# Altium PCB SEEED ORDER ALARM INTERFACE 100mm x 150mm.PcbDoc (part 1 of 2)
Units mil, origin at the board's own origin, x right, y up, seen from the top; angles counter-clockwise.
Board outline 5905.51 x 3937.01 mil, 2 copper layers (Top Layer, Bottom Layer); 128 components, 122 nets, 586 pads, 128 vias.
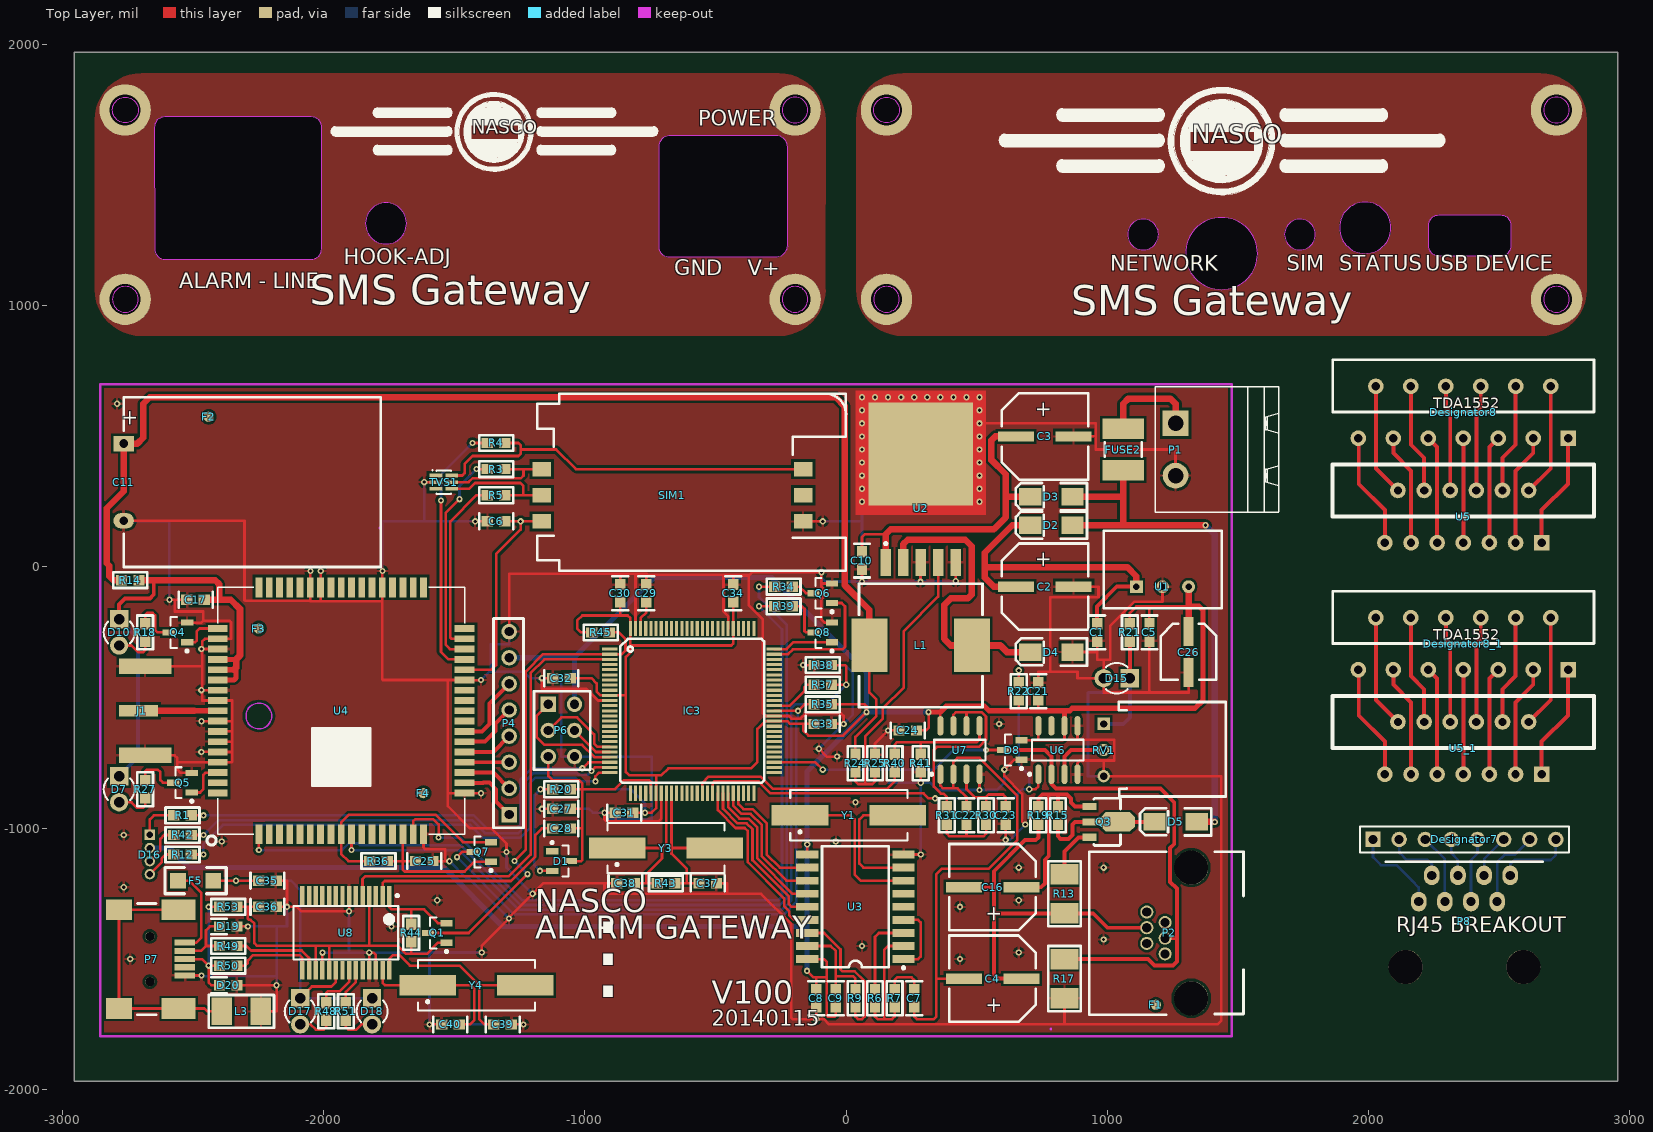
[diagram p0: Top Layer view]
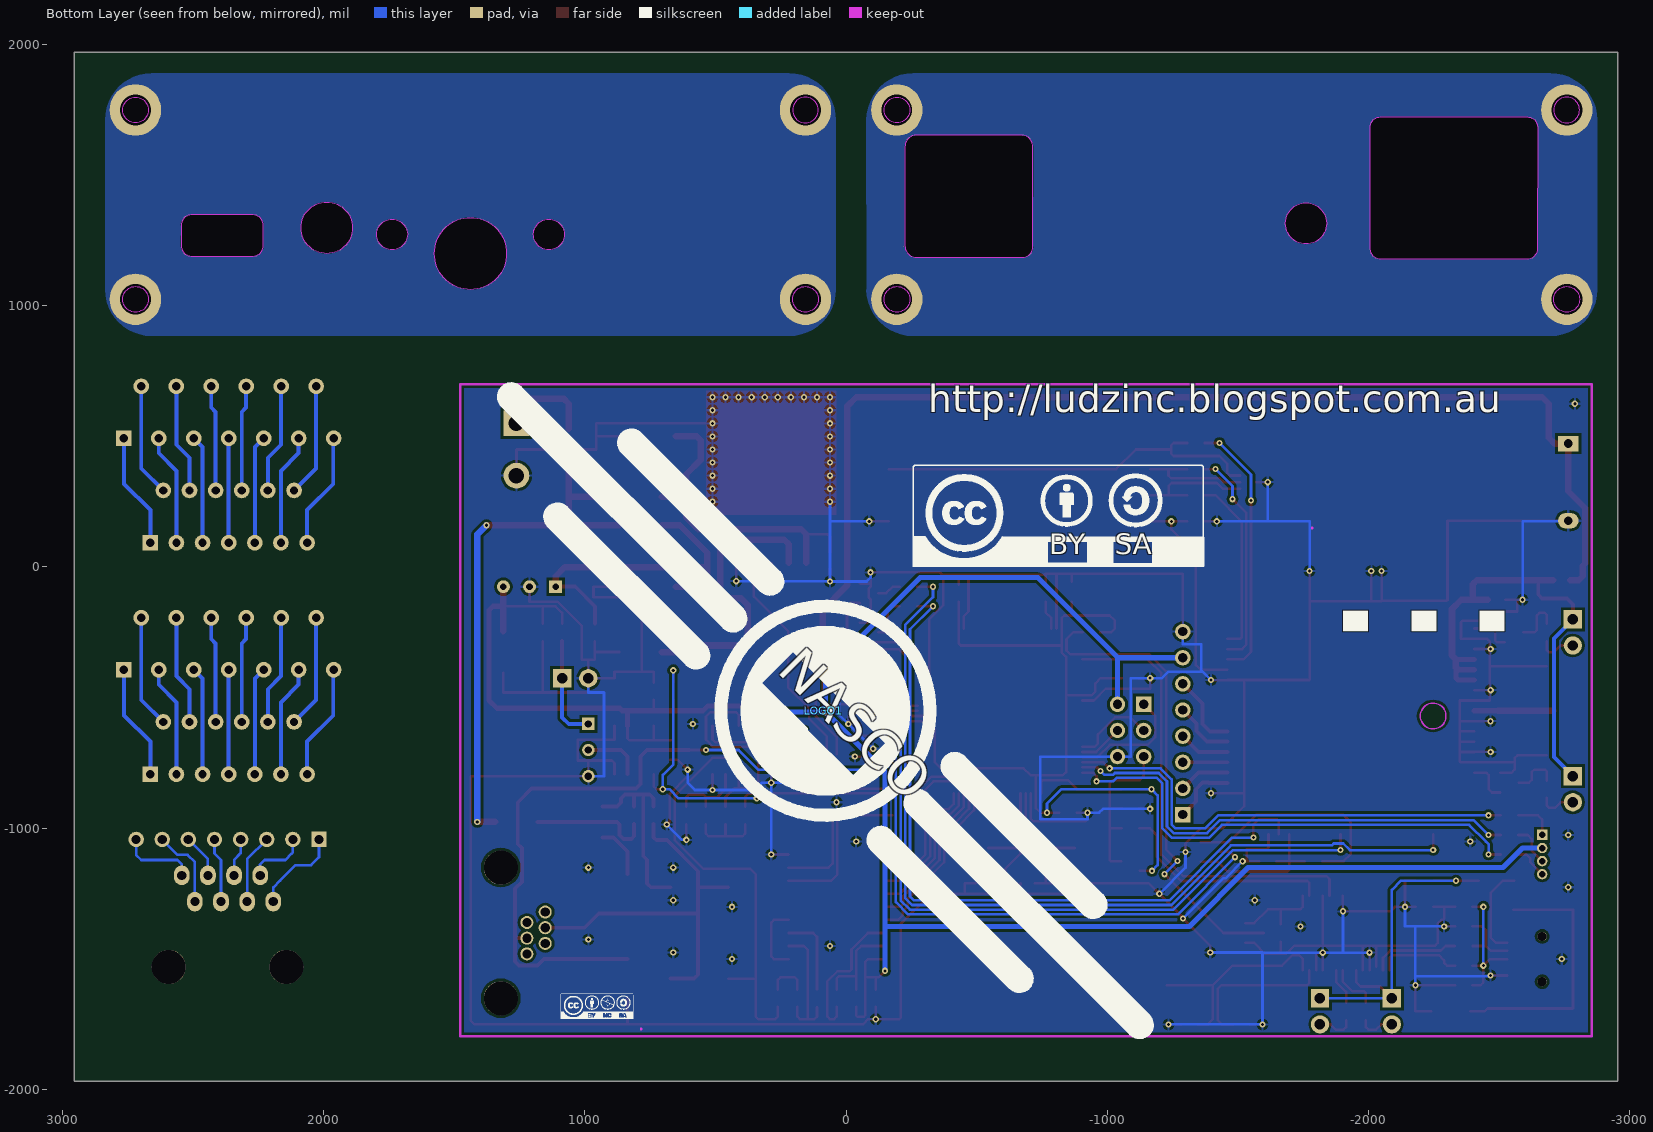
[diagram p1: Bottom Layer view, seen from below]

## Layer stack, top to bottom
Top Layer: signal copper 1.4
Dielectric: dielectric 12.6, FR-4, Dk 4.8
Bottom Layer: signal copper 1.4

## Board outline
-2952.76,-1968.5 -2952.76,1968.5 2952.76,1968.5 2952.76,-1968.5
cut-out: 155.51,1698.82 cw(c155.51,1748.03) 106.3,1748.03 cw(c155.51,1748.03) 155.51,1797.24 cw(c155.51,1748.03) 204.72,1748.03 cw(c155.51,1748.03)
cut-out: 2669.29,1748.03 ccw(c2718.5,1748.03) 2718.5,1698.82 ccw(c2718.5,1748.03) 2767.72,1748.03 ccw(c2718.5,1748.03) 2718.5,1797.24 ccw(c2718.5,1748.03)
cut-out: 2669.29,1023.62 ccw(c2718.5,1023.62) 2718.5,974.41 ccw(c2718.5,1023.62) 2767.72,1023.62 ccw(c2718.5,1023.62) 2718.5,1072.83 ccw(c2718.5,1023.62)
cut-out: 106.3,1023.62 ccw(c155.51,1023.62) 155.51,974.41 ccw(c155.51,1023.62) 204.72,1023.62 ccw(c155.51,1023.62) 155.51,1072.83 ccw(c155.51,1023.62)
cut-out: 2229.53,1228.35 2229.53,1307.09 cw(c2268.9,1307.09) 2268.9,1346.46 2505.12,1346.46 cw(c2505.12,1307.09) 2544.49,1307.09 2544.49,1228.35 cw(c2505.12,1228.35) 2505.12,1188.98 2268.9,1188.98 cw(c2268.9,1228.35)
cut-out: 1077.95,1271.65 ccw(c1137.01,1271.65) 1137.01,1212.6 ccw(c1137.01,1271.65) 1196.06,1271.65 ccw(c1137.01,1271.65) 1137.01,1330.71 ccw(c1137.01,1271.65)
cut-out: 1677.95,1271.65 ccw(c1737.01,1271.65) 1737.01,1212.6 ccw(c1737.01,1271.65) 1796.06,1271.65 ccw(c1737.01,1271.65) 1737.01,1330.71 ccw(c1737.01,1271.65)
cut-out: 1888.58,1297.24 ccw(c1987.01,1297.24) 1987.01,1198.82 ccw(c1987.01,1297.24) 2085.43,1297.24 ccw(c1987.01,1297.24) 1987.01,1395.67 ccw(c1987.01,1297.24)
cut-out: 1299.21,1198.69 ccw(c1437.01,1198.69) 1437.01,1060.9 ccw(c1437.01,1198.69) 1574.8,1198.69 ccw(c1437.01,1198.69) 1437.01,1336.49 ccw(c1437.01,1198.69)
cut-out: -2645.75,1216.42 ccw(c-2606.38,1216.42) -2606.38,1177.05 -2046.38,1177.05 ccw(c-2046.38,1216.42) -2007.01,1216.42 -2006.38,1216.42 -2006.38,1682.05 ccw(c-2045.75,1682.05) -2045.75,1721.42 -2607.01,1721.42 ccw(c-2607.01,1682.05) -2646.38,1682.05
cut-out: -1838.98,1313.98 ccw(c-1760.24,1313.98) -1760.24,1235.24 ccw(c-1760.24,1313.98) -1681.5,1313.98 ccw(c-1760.24,1313.98) -1760.24,1392.72 ccw(c-1760.24,1313.98)
cut-out: -2807.09,1023.62 ccw(c-2757.87,1023.62) -2757.87,974.41 ccw(c-2757.87,1023.62) -2708.66,1023.62 ccw(c-2757.87,1023.62) -2757.87,1072.83 ccw(c-2757.87,1023.62)
cut-out: -244.09,1023.62 ccw(c-194.88,1023.62) -194.88,974.41 ccw(c-194.88,1023.62) -145.67,1023.62 ccw(c-194.88,1023.62) -194.88,1072.83 ccw(c-194.88,1023.62)
cut-out: -244.09,1748.03 ccw(c-194.88,1748.03) -194.88,1698.82 ccw(c-194.88,1748.03) -145.67,1748.03 ccw(c-194.88,1748.03) -194.88,1797.24 ccw(c-194.88,1748.03)
cut-out: -2757.87,1698.82 cw(c-2757.87,1748.03) -2807.09,1748.03 cw(c-2757.87,1748.03) -2757.87,1797.24 cw(c-2757.87,1748.03) -2708.66,1748.03 cw(c-2757.87,1748.03)
cut-out: -221.01,1227.17
cut-out: -221.01,1227.17
cut-out: -221.01,1227.17
cut-out: -221.01,1227.17
cut-out: -221.01,1227.17
cut-out: -715.39,1224.1 -715.39,1606.1 cw(c-710.38,1606.1) -715.37,1606.6 cw(c-710.38,1607.1) -715.39,1607.1 cw(c-671.01,1607.1) -671.01,1651.49 cw(c-671.01,1646.47) -670.8,1651.48 cw(c-669.94,1646.54) -669.94,1651.56 -268.38,1651.56 cw(c-268.38,1646.54) -267.18,1651.41 cw(c-269.75,1607.1) -225.36,1607.1 cw(c-230.38,1607.1) -225.39,1606.6 cw(c-230.38,1606.1) -225.36,1606.1 -225.36,1229.1 cw(c-270.38,1229.1) -270.38,1184.09 -675.38,1184.09 cw(c-675.38,1224.1)

## Design rules (kind name [scope] priority, off if disabled: settings)
Clearance [All] p1: gap=10
PolygonConnect [All] p1: connectstyle=Relief reliefconductorwidth=10 reliefentries=4 polygonreliefangle="90 Angle" airgapwidth=10
RoutingVias [All] p1: holewidth=28 width=50 viastyle="Through Hole" minholewidth=28 minwidth=50 maxholewidth=28 maxwidth=50
SolderMaskExpansion [All] p1: expansion=4
Width [All] p1: maxlimit=10 minlimit=10 preferedwidth=10
28 further rules are at their usual default settings.

## Components (designator, comment, footprint, x,y, rotation, side; value= is the part's Value field where it differs from the comment)
C1 "100nF" "CAP (3D) - 0603" 961.02,-251.18 r90 top
C2 "100uF" "CAP ELECTRO SIZE-E" 761.02,-76.18 r270 top
C3 "100uF" "CAP ELECTRO SIZE-E" 761.02,498.82 r270 top
C4 "100uF" "CAP ELECTRO SIZE-E" 561.02,-1576.18 r90 top
C5 "100nF" "CAP (3D) - 0603" 1161.02,-251.18 r90 top
C6 "100nF" "CAP (3D) - 0603" -1338.98,173.82 r0 top
C7 "100nF" "CAP (3D) - 0603" 261.02,-1651.18 r90 top
C8 "100nF" "CAP (3D) - 0603" -113.98,-1651.18 r90 top
C9 "100nF" "CAP (3D) - 0603" -38.98,-1651.18 r270 top
C10 "100nF" "CAP (3D) - 0603" 61.02,23.82 r90 top
C11 "2700uF" "CAP D(16) L(20) P(7.5)" -2763.98,323.82 r90 top
C16 "100uF" "CAP ELECTRO SIZE-E" 561.02,-1226.18 r90 top
C17 "100nF" "CAP (3D) - 0603" -2488.98,-126.18 r0 top
C21 "100nF" "CAP (3D) - 0603" 736.02,-476.18 r270 top
C22 "10nF" "CAP (3D) - 0603" 461.02,-951.18 r270 top
C23 "10nF" "CAP (3D) - 0603" 611.02,-951.18 r90 top
C24 "100nF" "CAP (3D) - 0603" 236.02,-626.18 r0 top
C25 "100nF" "CAP (3D) - 0603" -1613.98,-1126.18 r180 top
C26 "10uF" "CAP ELECTRO SIZE-C" 1311.02,-326.18 r180 top
C27 "100nF" "CAP (3D) - 0603" -1088.98,-926.18 r180 top
C28 "100nF" "CAP (3D) - 0603" -1088.98,-1001.18 r180 top
C29 "100nF" "CAP (3D) - 0603" -763.98,-101.18 r270 top
C30 "100nF" "CAP (3D) - 0603" -863.98,-101.18 r270 top
C31 "100nF" "CAP (3D) - 0603" -848.98,-941.18 r0 top
C32 "100nF" "CAP (3D) - 0603" -1088.98,-426.18 r0 top
C33 "100nF" "CAP (3D) - 0603" -88.98,-601.18 r180 top
C34 "100nF" "CAP (3D) - 0603" -431.5,-101.18 r270 top
C35 "100nF" "CAP (3D) - 0603" -2213.98,-1201.18 r180 top
C36 "100nF" "CAP (3D) - 0603" -2213.98,-1301.18 r180 top
C37 "22pF" "CAP (3D) - 0603" -528.98,-1211.18 r180 top
C38 "22pF" "CAP (3D) - 0603" -843.98,-1211.18 r0 top
C39 "22pF" "CAP (3D) - 0603" -1313.98,-1751.18 r180 top
C40 "22pF" "CAP (3D) - 0603" -1513.98,-1751.18 r0 top
D1 "BAV99" SOT23-3L -1088.98,-1126.18 r0 top
D2 "S1M" DO-214AC 786.02,158.82 r180 top
D3 "S1M" DO-214AC 786.02,268.82 r180 top
D4 "CD214A-B340LF" DO-214AC 786.02,-326.18 r180 top
D5 "S1M" DO-214AC 1261.02,-976.18 r180 top
D7 "LED (RED)" "LED(3D) 3MM RIGHT ANGLE RED" -2781.83,-851.18 r90 top
D8 "BAV99" SOT23-3L 636.02,-701.18 r180 top
D10 "LED (GREEN)" "LED(3D) 3MM RIGHT ANGLE GREEN" -2781.83,-251.18 r90 top
D15 "LED (RED)" "LED 3MM" 1036.02,-426.18 r0 top
D16 "RGB 5mm" "LED(3D) 5MM RIGHT ANGLE (RGB) - COMMON ANODE" -2663.98,-1101.18 r90 top
D17 "LED (RED)" "LED(3D) 3MM VERTICAL (RED)" -2088.98,-1701.18 r90 top
D18 "LED (GREEN)" "LED(3D) 3MM VERTICAL (GREEN)" -1813.98,-1701.18 r90 top
D19 "TVS" "TVS (3D) - 0603" -2363.98,-1376.18 r0 top
D20 "TVS" "TVS (3D) - 0603" -2363.98,-1601.18 r0 top
Designator7 "Comment" HDR1X8 2016.54,-1043.31 r0 top
Designator8 "Comment" DBS13P#1 2362.2,592.13 r180 top
Designator8_1 "Comment" DBS13P#1 2362.2,-293.7 r180 top
F1 "Fiducial" FIDUCIAL 1186.02,-1676.18 r90 top
F2 "Fiducial" FIDUCIAL -2438.98,573.82 r90 top
F3 "Fiducial" FIDUCIAL -2246.79,-236.22 r90 top
F4 "Fiducial" FIDUCIAL -1616.86,-866.14 r90 top
F5 "160mA" 1206 -2488.98,-1201.18 r0 top
FUSE2 "500mA" "miniSMD Polyswitch" 1061.02,448.82 r270 top
IC3 "ATMEGA2560-16AU" TQFP100 -588.98,-551.18 r0 top
J1 "SMA" "SMA EDGE MOUNT" -2896.83,-551.18 r0 top
L1 "Inductor" "INDUCTOR 12x12x8" 286.02,-301.18 r270 top
L3 "BEAD" "RES (3D) - 1210" -2313.98,-1701.18 r0 top
LOGO1 "NASCO" NASCO_LOGO 86.02,-551.18 r225 bottom
P1 "Power" "5.08MM HEADER 2 WAY RA- WITH SOCKET" 1261.02,548.82 r270 top
P2 "PHONE" "MOLEXZ RJ11" 1186.02,-1401.18 r270 top
P4 "Header 8" "HDR1X8 (3D)" -1288.98,-948.03 r90 top
P6 "Header 6" "HDR2X3 (3D)" -1088.98,-626.18 r270 top
P7 "MINI USB" "MINI USB" -2663.98,-1501.18 r270 top
P8 "COMSIN" "RJ45 RA (MOLEX 955012881)" 2541.67,-1181.1 r180 top (schematic designator P6)
Q1 "BSS138BK,215" SOT23-3L -1563.98,-1401.18 r180 top
Q3 "BCX56" SOT89 986.02,-976.18 r270 top
Q4 "MMUN2211LT1" SOT23-3L -2556.83,-251.18 r180 top
Q5 "MMUN2211LT1" SOT23-3L -2538.98,-826.18 r180 top
Q6 "MMUN2211LT1" SOT23-3L -88.98,-101.18 r180 top
Q7 "BSS138BK,215" SOT23-3L -1393.98,-1091.18 r180 top
Q8 "MMUN2211LT1" SOT23-3L -88.98,-251.18 r180 top
R1 "1k" "RES (3D) - 0603" -2538.98,-951.18 r0 top
R3 "22R" "RES (3D) - 0603" -1338.98,373.82 r180 top
R4 "22R" "RES (3D) - 0603" -1338.98,473.82 r180 top
R5 "22R" "RES (3D) - 0603" -1338.98,273.82 r180 top
R6 "100k" "RES (3D) - 0603" 111.02,-1651.18 r270 top
R7 "100k" "RES (3D) - 0603" 186.02,-1651.18 r90 top
R9 "300k" "RES (3D) - 0603" 36.02,-1651.18 r270 top
R12 "22k" "RES (3D) - 0603" -2538.98,-1101.18 r0 top
R13 "15R 1/2 WATT" "RES (3D) - 1210" 836.02,-1251.18 r90 top
R14 "0R" "RES (3D) - 0603" -2738.98,-51.18 r180 top
R15 "10k" "RES (3D) - 0603" 811.02,-951.18 r90 top
R17 "10R 1/2 WATT" "RES (3D) - 1210" 836.02,-1576.18 r90 top
R18 "470R" "RES (3D) - 0603" -2681.83,-251.18 r90 top
R19 "10k" "RES (3D) - 0603" 736.02,-951.18 r270 top
R20 "10k" "RES (3D) - 0603" -1088.98,-851.18 r0 top
R21 "1k" "RES (3D) - 0603" 1086.02,-251.18 r270 top
R22 "10k" "RES (3D) - 0603" 661.02,-476.18 r90 top
R24 "3k" "RES (3D) - 0603" 36.02,-751.18 r270 top
R25 "1k" "RES (3D) - 0603" 111.02,-751.18 r90 top
R27 "470R" "RES (3D) - 0603" -2681.83,-851.18 r90 top
R30 "11k" "RES (3D) - 0603" 536.02,-951.18 r270 top
R31 "11k" "RES (3D) - 0603" 386.02,-951.18 r90 top
R34 "1k" "RES (3D) - 0603" -238.98,-76.18 r0 top
R35 "10k" "RES (3D) - 0603" -88.98,-526.18 r180 top
R36 "10k" "RES (3D) - 0603" -1788.98,-1126.18 r180 top
R37 "22k" "RES (3D) - 0603" -88.98,-451.18 r180 top
R38 "33k" "RES (3D) - 0603" -88.98,-376.18 r0 top
R39 "1k" "RES (3D) - 0603" -238.98,-151.18 r0 top
R40 "10k" "RES (3D) - 0603" 186.02,-751.18 r270 top
R41 "10k" "RES (3D) - 0603" 286.02,-751.18 r270 top
R42 "1k" "RES (3D) - 0603" -2538.98,-1026.18 r0 top
R43 "1MEG" "RES (3D) - 0603" -688.98,-1211.18 r180 top
R44 "10k" "RES (3D) - 0603" -1663.98,-1401.18 r90 top
R45 "10k" "RES (3D) - 0603" -938.98,-251.18 r0 top
R48 "470R" "RES (3D) - 0603" -1988.98,-1701.18 r90 top
R49 "22R" "RES (3D) - 0603" -2363.98,-1451.18 r180 top
R50 "22R" "RES (3D) - 0603" -2363.98,-1526.18 r180 top
R51 "470R" "RES (3D) - 0603" -1913.98,-1701.18 r90 top
R53 "1k5" "RES (3D) - 0603" -2363.98,-1301.18 r0 top
RV1 "10k" "TRIMPOT (10 TURN) - RIGHT ANGLE" 986.02,-701.18 r270 top
SIM1 "FCI 7111S2015X02LF" "SIM CARD" -663.98,273.82 r180 top
TVS1 "SMF05C" SOT-363 -1538.98,323.82 r270 top
U1 "R-78E5.0-0.5" R-78E5.0-0.5 1361.02,-126.18 r0 top
U2 "LM2596" D2-PAK 286.02,223.82 r0 top
U3 "MT8870DS" SOIC-18 36.02,-1301.18 r90 top
U4 "SIM900" SIM900 -1931.83,-551.18 r0 top
U5 "TDA1552" DBS13P#2 2662.2,92.13 r180 top
U5_1 "TDA1552" DBS13P#2 2662.2,-793.7 r180 top (schematic designator U5)
U6 "LM393AN" SO-8 811.02,-701.18 r90 top
U7 "LMV932MA" SO-8 436.02,-701.18 r90 top
U8 "PL2303" SSOP28 -1913.98,-1401.18 r180 top
Y1 "3.5795 MHz" HC49/4H_SMX 11.02,-951.18 r0 top
Y3 "16MHz" HC49/4H_SMX -688.98,-1076.18 r0 top
Y4 "12MHz" HC49/4H_SMX -1413.98,-1601.18 r0 top

## Footprints (in the part's own frame and the unit in brackets; to place one, negate y for a bottom-side part, rotate by r counter-clockwise, add the part's x,y. Pads: shape width x height; smd on the part's side, far side on the other; paste and mask are expansions set on the pad)
"5.08MM HEADER 2 WAY RA- WITH SOCKET" [mm] "PHOENIX CONTACT 1757019 & 1759017"
  rect 2.5x2.5 hole 1.5: 1(0,0)
  round 2.5 hole 1.5: 2(5.08,0)
  silkscreen extent -3.54,-1.98 8.62,10.02, body extent -2.54,-2.01 7.67,19.18, height 15.02
1206 [mil]
  rect 60x60 smd: 1(-67.5,0) 2(67.5,0)
  silkscreen extent -118,-50 118,50, body extent -63,-31 63,31, height 22
"CAP (3D) - 0603" [mm]
  rect 1.1x1 smd: 1(0.85,0) 2(-0.85,0)
  silkscreen extent -1.65,-0.76 1.65,0.76, body extent -0.8,-0.4 0.8,0.4, height 0.92
"CAP D(16) L(20) P(7.5)" [mm] "Polarized Capacitor (Radial); 2 Leads"
  rect 1.5x2 hole 0.85: 1(3.75,0)
  oval 1.5x2 hole 0.85: 2(-3.75,0)
  silkscreen extent -8.25,-25 8.25,0, body extent -8.21,-25 8.21,0, height 16.22
"CAP ELECTRO SIZE-C" [mm]
  rect 1x2.8 smd: 1(0,-2) 2(0,2)
  silkscreen extent -2.7,-2.75 2.7,2.7, body extent -2.65,-2.95 2.65,2.95, height 5.41
"CAP ELECTRO SIZE-E" [mm]
  rect 1x3.5 smd: 1(0,-2.8) 2(0,2.8)
  silkscreen extent -4.2,-4.2 4.2,4.2, body extent -4.15,-4.5 4.15,4.5, height 6.2
D2-PAK [mm] "D2-PAK; 5 Leads; Body 14.7 (inc. leads) x 10.2 mm (LxW max)"
  rect 1x2.6 smd: 1(-3.4,-5.275) 2(-1.7,-5.275) 3(0,-5.275) 4(1.7,-5.275) 5(3.4,-5.275)
  rect 10.2x10 smd: 6(0,5.275)
  Top Layer region: -6.349,-0.635 6.351,-0.635 6.351,11.43 -6.349,11.43
  silkscreen extent -3.52,-3.55 -3.28,-3.3, body extent -5,-5.99 5,9.68, height 4.81
DBS13P#1 [mil] "DBS13P"
  rect 60x60 hole 32: 1(-401.57,100)
  round 60 hole 32: 2(-334.65,-98.43) 3(-267.72,100) 4(-200.79,-98.43) 5(-133.86,100) 6(-66.93,-98.43) 7(0,100) 8(66.93,-98.43) 9(133.86,100) 10(200.79,-98.43) 11(267.72,100) 12(334.65,-98.43) 13(401.57,100)
  silkscreen extent -500,-200 500,0
DBS13P#2 [mil] "DBS13P"
  rect 60x60 hole 32: 1(0,0)
  round 60 hole 32: 2(50,-200) 3(100,0) 4(150,-200) 5(200,0) 6(250,-200) 7(300,0) 8(350,-200) 9(400,0) 10(450,-200) 11(500,0) 12(550,-200) 13(600,0)
  silkscreen extent -200,-300 800,-100
DO-214AC [mil]
  rect 85x67 smd: 1(-81,0) 2(81,0)
  silkscreen extent -136,-52 136,52, body extent -79,-39 79,39, height 61
FIDUCIAL [mm]
  round 1 smd mask+1: 0(0,0)
HC49/4H_SMX [mm] "Quartz Crystal, SM; Body 13.4 (inc. leads) x 4.9 mm (LxW max)"
  rect 5.5x2 smd: 1(-4.75,0) 2(4.75,0)
  silkscreen extent -5.7,-2.45 5.7,2.45, body extent -6.36,-2.35 6.34,2.35, height 4.2
HDR1X8 [mm] "Connector; Header; 8 Position"
  rect 1.5x1.5 hole 0.9: 1(0,0)
  round 1.5 hole 0.9: 2(2.54,0) 3(5.08,0) 4(7.62,0) 5(10.16,0) 6(12.7,0) 7(15.24,0) 8(17.78,0)
  silkscreen extent -1.27,-1.27 19.05,1.27
"HDR1X8 (3D)" [mm] "Connector; Header; 8 Position"
  rect 1.5x1.5 hole 0.9: 1(0,0)
  round 1.5 hole 0.9: 2(2.54,0) 3(5.08,0) 4(7.62,0) 5(10.16,0) 6(12.7,0) 7(15.24,0) 8(17.78,0)
  silkscreen extent -1.27,-1.4 19.05,1.52, body extent -1.27,-1.4 19.05,1.52, height 8.53
"HDR2X3 (3D)" [mm]
  rect 1.5x1.5 hole 0.9: 1(-2.54,-1.27)
  round 1.5 hole 0.9: 2(-2.54,1.27) 3(0,-1.27) 4(0,1.27) 5(2.54,-1.27) 6(2.54,1.27)
  silkscreen extent -3.81,-2.67 3.81,2.79, body extent -3.81,-2.67 3.81,2.79, height 8.53
"INDUCTOR 12x12x8" [mm]
  rect 5.2x3.5 smd: 1(0,5) 2(0,-5)
  silkscreen extent -6,-6 6,6, body extent -6,-6 6,6, height 8.02
"LED 3MM" [mil]
  rect 70x70 hole 40: 1(50.06,-0.28)
  round 70 hole 40: 2(-49.94,-0.28)
  silkscreen extent -42,-59 42,59
"LED(3D) 3MM RIGHT ANGLE GREEN" [mil]
  rect 70x70 hole 40: 1(50.06,-0.28)
  round 70 hole 40: 2(-49.94,-0.28)
  silkscreen extent -42,-59 42,59, body extent -66,-55 61,239, height 144
"LED(3D) 3MM RIGHT ANGLE RED" [mil]
  rect 70x70 hole 40: 1(50.06,-0.28)
  round 70 hole 40: 2(-49.94,-0.28)
  silkscreen extent -42,-59 42,59, body extent -66,-53 61,241, height 144
"LED(3D) 3MM VERTICAL (GREEN)" [mil]
  rect 70x70 hole 40: 1(50.06,-0.28)
  round 70 hole 40: 2(-49.94,-0.28)
  silkscreen extent -42,-59 42,59, body extent -65,-65 61,64, height 196
"LED(3D) 3MM VERTICAL (RED)" [mil]
  rect 70x70 hole 40: 1(50.06,-0.28)
  round 70 hole 40: 2(-49.94,-0.28)
  silkscreen extent -42,-59 42,59, body extent -66,-66 61,64, height 207
"LED(3D) 5MM RIGHT ANGLE (RGB) - COMMON ANODE" [mil]
  rect 40x40 hole 25: 1(75,0)
  round 40 hole 25: 2(25,0) 3(-25,0) 4(-75,0)
  body extent -98,69 98,324, height 201
"MINI USB" [mm] "KEYSTONE ELECTRONICS 934"
  rect 2x3.3 smd: 0(-4.8,2.8) 0(4.8,2.8)
  rect 2x2.5 smd: 0(-4.8,-3) 0(4.8,-3)
  rect 0.6x2 smd: 1(-1.6,3.4) 2(-0.8,3.4) 3(0,3.4) 4(0.8,3.4) 5(1.6,3.4)
  round 0.89 hole 0.89 unplated: MT(-2.2,0) MT(2.2,0)
  silkscreen extent -5.4,-1.2 5.4,0.6, body extent -5.35,-5.9 5.35,3.3, height 3.97
"miniSMD Polyswitch" [mm] "RAYCHEM - MINISMDC050F-2"
  rect 2x4 smd: 1(-2,0) 2(2,0)
  silkscreen extent -0.7,-1.8 0.7,1.8, body extent -2.4,-1.7 2.4,1.7, height 0.62
"MOLEXZ RJ11" [mil] "438600020 (MOLEX RJ11)"
  round 130 hole 130 unplated: 0(-250,135) 0(250,135)
  round 50 hole 35: 1(-80,-35) 2(-40,35) 3(-20,-35) 4(20,35) 5(40,-35) 6(80,35)
  silkscreen extent -310,-255 312,335, body extent -310,-255 312,335, height 507
NASCO_LOGO [mil]
  silkscreen extent -1746,-395 1755,405
R-78E5.0-0.5 [mm] "RECOM R-78E5.0-0.5 DC-DC CONVERTER"
  rect 1.25x1.25 hole 0.65: 1(-6.35,1.27)
  round 1.25 hole 0.65: 2(-3.81,1.27) 3(-1.27,1.27)
  silkscreen extent -9.53,-0.84 1.94,6.71, body extent -9.56,-0.84 1.94,6.71, height 10.22
"RES (3D) - 0603" [mm]
  rect 1.1x1 smd: 1(0.85,0) 2(-0.85,0)
  silkscreen extent -1.65,-0.76 1.65,0.76, body extent -0.8,-0.4 0.8,0.4, height 0.92
"RES (3D) - 1210" [mm] "Chip Diode; Body 3.2 x 2.5 mm (LxW typ)"
  rect 2x2.7 smd: 1(-1.905,0) 2(1.905,0)
  silkscreen extent -3.17,-1.59 3.17,1.59, body extent -2,-1.24 2,1.24, height 1.7
"RJ45 RA (MOLEX 955012881)" [mil] "RJ45 MOLEX 955012881"
  round 130 hole 130 unplated: 0(-50,350) 0(400,350)
  oval 60x75 hole 35: 1(350,100) 2(300,0) 3(250,100) 4(200,0) 5(150,100) 6(100,0) 7(50,100) 8(0,0)
  silkscreen extent -125,-52 475,-52, body extent -125,-52 475,660, height 453
SIM900 [mil] "SIM900 GPRS MODULE"
  rect 26x76 smd: 1(-314.96,-472.44) 2(-275.59,-472.44) 3(-236.22,-472.44) 4(-196.85,-472.44) 5(-157.48,-472.44) 6(-118.11,-472.44) 7(-78.74,-472.44) 8(-39.36,-472.44) 9(0.01,-472.44) 10(39.38,-472.44) 11(78.75,-472.44) 12(118.12,-472.44) 13(157.49,-472.44) 14(196.86,-472.44) 15(236.23,-472.44) 16(275.6,-472.44) 17(314.97,-472.44) 35(314.97,472.44) 36(275.6,472.44) 37(236.23,472.44) 38(196.86,472.44) 39(157.49,472.44) 40(118.12,472.44) 41(78.75,472.44) 42(39.38,472.44) 43(0.01,472.44) 44(-39.36,472.44) 45(-78.74,472.44) 46(-118.11,472.44) 47(-157.48,472.44) 48(-196.85,472.44) 49(-236.22,472.44) 50(-275.59,472.44) 51(-314.96,472.44)
  rect 76x26 smd: 18(472.45,-314.96) 19(472.45,-275.59) 20(472.45,-236.22) 21(472.45,-196.85) 22(472.45,-157.48) 23(472.45,-118.11) 24(472.45,-78.74) 25(472.45,-39.37) 26(472.45,0) 27(472.45,39.37) 28(472.45,78.74) 29(472.45,118.11) 30(472.45,157.48) 31(472.45,196.85) 32(472.45,236.22) 33(472.45,275.59) 34(472.45,314.96) 52(-472.44,314.96) 53(-472.44,275.59) 54(-472.44,236.22) 55(-472.44,196.85) 56(-472.44,157.48) 57(-472.44,118.11) 58(-472.44,78.74) 59(-472.44,39.37) 60(-472.44,0) 61(-472.44,-39.37) 62(-472.44,-78.74) 63(-472.44,-118.11) 64(-472.44,-157.48) 65(-472.44,-196.85) 66(-472.44,-236.22) 67(-472.44,-275.59) 68(-472.44,-314.96)
  Keep-Out Layer circle w5: c-314.96,-19.69 r49.33
  silkscreen extent -514,-514 472,472, body extent -472,-472 472,472, height 119
"SIM CARD" [mm] "FCI 7111S2015X02LF"
  rect 1.8x1.4 smd: C1(12.7,2.54) C2(12.7,0) C3(12.7,-2.54) C5(-12.7,2.54) C6(-12.7,0) C7(-12.7,-2.54)
  silkscreen extent -16.87,-9.88 13.15,7.32, body extent -16.85,-9.88 13.15,7.32, height 2.27
"SMA EDGE MOUNT" [mil]
  rect 150x45 smd: 1(190,0)
  rect 200x60 smd: 2(215,-170) 2(215,170)
  body extent -244,-187 300,187, height 161
SO-8 [mm] "SOIC, 8-Leads, Body 4.9x3.9mm, Pitch 1.27mm, IPC High Density"
  oval 1.9x0.6 smd: 1(-2.35,1.905) 2(-2.35,0.635) 3(-2.35,-0.635) 4(-2.35,-1.905) 5(2.35,-1.905) 6(2.35,-0.635) 7(2.35,0.635) 8(2.35,1.905)
  silkscreen extent -2.47,-2.5 1,2.88, body extent -2.9,-2.45 3.1,2.45, height 1.75
SOIC-18 [mil]
  rect 30x85 smd: 1(-200,-184.05) 2(-150,-184.05) 3(-100,-184.05) 4(-50,-184.05) 5(0,-184.05) 6(50,-184.05) 7(100,-184.05) 8(150,-184.05) 9(200,-184.05) 10(200,184.06) 11(150,184.06) 12(100,184.06) 13(50,184.06) 14(0,184.06) 15(-50,184.06) 16(-100,184.06) 17(-150,184.06) 18(-200,184.06)
  silkscreen extent -238,-189 231,128, body extent -236,-148 236,148, height 100
SOT23-3L [mm] "SOT23, 3-Leads, Body 2.9x1.3mm, Pitch 0.95mm, Lead Span 2.5mm, IPC High Density"
  rect 1.2x0.6 smd: 1(-0.9,0.95) 2(-0.9,-0.95) 3(0.9,0)
  silkscreen extent -1.02,-1.5 0.7,1.92, body extent -1.25,-1.5 1.25,1.5, height 1.12
SOT89 [mm]
  rect 0.7x1.35 smd: 1(1.5,-1.388) 3(-1.5,-1.388)
  rect 0.7x1.8 smd: 2(0,-1.163)
  oct 1.9x3.3 smd: 2(0,1.388)
  silkscreen extent -2.3,-0.97 2.3,1.63, body extent -2.3,-1.9 2.3,2.35, height 1.62
SOT-363 [mm] "SOT-363/SC-88; 6 Leads; Body 2.2 x 2.2 mm, inc. leads (LxW max)"
  rect 0.35x1.25 smd: 1(-0.65,-0.775) 2(0,-0.775) 3(0.65,-0.775) 4(0.65,0.775) 5(0,0.775) 6(-0.65,0.775)
  silkscreen extent -1.2,-1.15 1.15,0.7, body extent -1.05,-1.15 1.05,1.15, height 1
SSOP28 [mil]
  rect 17x72 smd: 1(-166.34,-142.72) 2(-140.75,-142.72) 3(-115.16,-142.72) 4(-89.57,-142.72) 5(-63.98,-142.72) 6(-38.39,-142.72) 7(-12.79,-142.72) 8(12.8,-142.72) 9(38.38,-142.72) 10(63.97,-142.72) 11(89.56,-142.72) 12(115.15,-142.72) 13(140.74,-142.72) 14(166.33,-142.72) 15(166.33,142.72) 16(140.74,142.72) 17(115.15,142.72) 18(89.56,142.72) 19(63.97,142.72) 20(38.38,142.72) 21(12.8,142.72) 22(-12.79,142.72) 23(-38.39,142.72) 24(-63.98,142.72) 25(-89.57,142.72) 26(-115.16,142.72) 27(-140.75,142.72) 28(-166.34,142.72)
  silkscreen extent -205,-148 201,102, body extent -203,-153 203,153, height 85
TQFP100 [mm]
  rect 1.5x0.3 smd: 1(-8,6) 2(-8,5.5) 3(-8,5) 4(-8,4.5) 5(-8,4) 6(-8,3.5) 7(-8,3) 8(-8,2.5) 9(-8,2) 10(-8,1.5) 11(-8,1) 12(-8,0.5) 13(-8,0) 14(-8,-0.5) 15(-8,-1) 16(-8,-1.5) 17(-8,-2) 18(-8,-2.5) 19(-8,-3) 20(-8,-3.5) 21(-8,-4) 22(-8,-4.5) 23(-8,-5) 24(-8,-5.5) 25(-8,-6) 51(8,-6) 52(8,-5.5) 53(8,-5) 54(8,-4.5) 55(8,-4) 56(8,-3.5) 57(8,-3) 58(8,-2.5) 59(8,-2) 60(8,-1.5) 61(8,-1) 62(8,-0.5) 63(8,0) 64(8,0.5) 65(8,1) 66(8,1.5) 67(8,2) 68(8,2.5) 69(8,3) 70(8,3.5) 71(8,4) 72(8,4.5) 73(8,5) 74(8,5.5) 75(8,6)
  rect 0.3x1.5 smd: 26(-6,-8) 27(-5.5,-8) 28(-5,-8) 29(-4.5,-8) 30(-4,-8) 31(-3.5,-8) 32(-3,-8) 33(-2.5,-8) 34(-2,-8) 35(-1.5,-8) 36(-1,-8) 37(-0.5,-8) 38(0,-8) 39(0.5,-8) 40(1,-8) 41(1.5,-8) 42(2,-8) 43(2.5,-8) 44(3,-8) 45(3.5,-8) 46(4,-8) 47(4.5,-8) 48(5,-8) 49(5.5,-8) 50(6,-8) 76(6,8) 77(5.5,8) 78(5,8) 79(4.5,8) 80(4,8) 81(3.5,8) 82(3,8) 83(2.5,8) 84(2,8) 85(1.5,8) 86(1,8) 87(0.5,8) 88(0,8) 89(-0.5,8) 90(-1,8) 91(-1.5,8) 92(-2,8) 93(-2.5,8) 94(-3,8) 95(-3.5,8) 96(-4,8) 97(-4.5,8) 98(-5,8) 99(-5.5,8) 100(-6,8)
  silkscreen extent -7,-7 7,7, body extent -8.01,-8.01 8.01,8.01, height 1.1
"TRIMPOT (10 TURN) - RIGHT ANGLE" [mm] "Thru-Hole; 3 Leads"
  rect 1.2x1.2 hole 0.7: 1(-2.54,0)
  round 1.2 hole 0.7: 2(0,0) 3(2.54,0)
  silkscreen extent -4.66,1.46 4.54,11.86, body extent -4.6,-4 4.6,13.5, height 4.72
"TVS (3D) - 0603" [mm]
  rect 1.1x1 smd: 1(0.85,0) 2(-0.85,0)
  silkscreen extent -1.65,-0.76 -0.13,0.76, body extent -0.8,-0.4 0.8,0.4, height 0.72

## Part data
C1 C5 C10 C17: library part CAP, "CAPACITOR SMD 0603"
C2 C3 C4 C16: library part "100uF 25V ALU E", "100uF 25V"
C6 C22 C23 C27 C28 C29 C30 C31 C32 C33 C34 C35 C36: library part "CAP SMD 0603 100nF", "CAPACITOR SMD 0603"
C7 C8 C9 C21 C24: library part CAP, "CAPACITOR SMD 0402"
C11: library part "1000uF 10V ALU G_1", "1000uF 10V"
C25 C37 C38 C39 C40: library part "CAP SMD 0603 1nF", "CAPACITOR SMD 0603"
C26: library part "Cap Pol", "CAPACITOR POLARISED TAG B CASE"
D1 D8: "DUAL DIODE, BAV99"
D2 D3 D5: library part DIODE, "DIODE, POWER"
D4: "CD214A-B340LF 3A SCHOTTKY (40V RB)"
D7 D15 D17: library part "LED 3mm RED", "3mm RED LED"
D10 D18: library part "LED 3mm GREEN", "3mm GREEN LED"
D16: library part RGB_5mm
D19 D20: library part "TVS DIODE", "Transient Voltage Suppression (TVS) Diode"
F5: library part "Fuse 2", "Fuse"
FUSE2: library part "POLYSWITCH 500mA", "POLYSWITCH 500mA"
IC3: library part ATMEGA25602560-16AU
J1: library part "SMA 142-0701-801", "JOHNSON / EMERSON SMA PCB EDGE"
L3: library part "INDUCTOR SMD 1210 100uH", "INDUCTOR SMD 1210"
LOGO1: library part NASCO_LOGO, "Quad 2-Input OR Gate"
P1: library part "Header 2H", "Header, 2-Pin, Right Angle"
P2: library part "Header 6", "Header, 6-Pin"
P4: "Header, 8-Pin"
P6: "Header, 6-Pin"
P7: library part "MICRO USB", "MICRO USB"
P8: library part "Header 8", "Header, 8-Pin"
Q1 Q7: library part "BSS138BK,215 SOT23", "N-Channel MOSFET"
Q3: "NPN Bipolar Transistor"
Q4 Q5 Q6 Q8: library part "MMUN221LT1 NPN DIGITAL TRANSISTOR"
R1 R12 R24 R25 R42: library part "RES SMD 0603 10k", "RESISTOR SMD 0603"
R3 R4 R5 R14 R43 R49 R50 R53: library part "RES SMD 0603 0R", "RESISTOR SMD 0603 0R"
R6 R7 R9 R13 R17 R22: library part "RES SMD 0603 100R", "RESISTOR SMD 0603"
R15 R19 R20 R35 R36 R44 R45: library part "RES SMD 0603 10k", "RESISTOR SMD 0603 10k"
R18 R27 R48 R51: library part "RES SMD 0603 590R", "RESISTOR SMD 0603 590R"
R21 R30 R31 R34 R37 R38 R39 R40 R41: library part "RES SMD 0603 1k", "RESISTOR SMD 0603 1k"
RV1: library part "VAR (POT) SMD", "Variable Resistor"
SIM1: "FCI 7111S2015X02LF SIM CARD HOLDER"
U1: "3-Terminal Positive Fixed Voltage Regulator"
U2: library part LM2576D2T-ADJ, "Easy Switcher 3.0A Step-Down Voltage Regulator"
U3: library part MT8870, "MT8870 DTMF DECODER"
U6: "Dual Comparator"
U7: library part LMV932MA/NOPB, "Low Power Dual Operational Amplifier, 8-pin Narrow SOIC"
U8: "PL2303 USB to 232 Converter (FT232 Compatible)"
Y1 Y3 Y4: library part XTAL, "Crystal Oscillator"

## Free pads (board coordinates)
  round 196.85 hole 118.11: 0(-2758.38,1023.68) 0(-2758.38,1747.98) 0(-194.38,1023.68) 0(-194.38,1747.98) 0(155.01,1023.68) 0(155.01,1747.98) 0(2719.01,1023.68) 0(2719.01,1747.98)

## Via types
v1: diameter 24, hole 12, Top Layer to Bottom Layer, 128 vias

## Nets (pads, with @x,y where several pads share a name; then routed paths per layer and width w, separated by ;. In a path a pad name is that pad's centre, name@x,y a point inside that pad or via, vN(x,y) a via of type N, cw(c..) or ccw(c..) an arc to the next point about the centre after c; other vN are vias at no path point)
3V3: C36.1 Q1.1 R44.2 R53.1 U8.4 U8.17 U8.19 | length 1419.1
  Top Layer w10: R53.1@-2330.51,-1301.18 -2288.98,-1301.18 ; C36.1@-2247.44,-1301.18 -2288.98,-1301.18 ; U8.17@-2029.13,-1531.18 -2029.13,-1450.34 -2028.98,-1450.18 ; U8.19@-1977.95,-1543.9 -1977.95,-1451.21 -1978.98,-1450.18 ; U8.4@-1824.41,-1258.46 -1824.41,-1450.18 ; R44.2@-1663.98,-1434.65 -1663.98,-1481.18 ; Q1.1@-1528.54,-1438.58 -1561.38,-1438.58 -1603.98,-1481.18 -1663.98,-1481.18 ; -2288.98,-1301.18 -2288.98,-1346.18 -2283.98,-1351.18 -2278.62,-1351.18 -2263.98,-1365.83 -2263.98,-1440.18 -2253.98,-1450.18 -2028.98,-1450.18 ; -2028.98,-1450.18 -1978.98,-1450.18 ; -1978.98,-1450.18 -1824.41,-1450.18 ; -1824.41,-1450.18 -1714.98,-1450.18 -1683.98,-1481.18 -1663.98,-1481.18
4V: C11.1 L1.2 R14.1 R24.2 | length 4929.8
  Top Layer w10: R24.2@36.02,-717.72 36.02,-651.18 116.02,-571.18 116.02,-508.03 89.17,-481.18 L1.2@89.17,-301.18
  Top Layer w25: R14.1@-2772.44,-51.18 -2803.98,-51.18 -2818.98,-36.18 -2818.98,3.82 -2828.83,13.67 -2828.83,223.82 -2763.98,288.67 C11.1@-2763.98,471.46 -2711.34,471.46 -2688.98,493.82 -2688.98,623.82 -2663.98,648.82 -38.98,648.82 -3.98,613.82 -3.98,-71.18 89.17,-164.33 L1.2@89.17,-301.18
5V: C5.1 C8.1 C9.1 C21.1 C24.1 C26.1 C30.1 C31.1 C32.1 C33.1 C34.1 D1.2 D8.2 D16.2 IC3.10 IC3.31 IC3.61 IC3.80 IC3.100 P4.7 P6.2 R20.2 R21.2 R22.2 R35.2 R45.2 U1.3 U3.10 U3.18 U6.6 U6.8 U7.8 | length 13281.3
  Top Layer w10: v1(-1170.95,-1163.58) D1.2@-1124.41,-1163.58 ; v1(-1168.98,-851.18) R20.2@-1122.44,-851.18 ; C32.1@-1055.51,-426.18 -973.98,-426.18 -953.98,-446.18 -953.98,-477.12 -938.98,-492.12 IC3.10@-903.94,-492.12 -843.03,-492.12 -842.09,-491.18 ; R45.2@-972.44,-251.18 -1013.98,-251.18 -1028.98,-236.18 -1028.98,-206.18 -1008.98,-186.18 -863.98,-186.18 ; C30.1@-863.98,-134.65 -863.98,-186.18 ; C31.1@-815.51,-941.18 v1(-768.98,-941.18) -743.98,-941.18 -726.77,-923.97 IC3.31@-726.77,-866.14 -726.77,-800.39 -728.98,-798.18 ; C34.1@-431.5,-134.65 IC3.80@-431.5,-236.22 -431.5,-293.7 -438.98,-301.18 -825.2,-301.18 ; v1(-148.98,-1546.18) -123.98,-1571.18 -113.98,-1571.18 ; U3.18@-148.03,-1501.18 -83.98,-1501.18 -73.98,-1511.18 -73.98,-1571.18 ; U3.10@-148.03,-1101.18 v1(-148.03,-1062.13) ; C33.1@-122.44,-601.18 -163.98,-601.18 ; C8.1@-113.98,-1617.72 -113.98,-1571.18 ; R35.2@-55.51,-526.18 71.02,-526.18 78.45,-533.61 v1(78.45,-556.18) -11.55,-646.18 -143.98,-646.18 -163.98,-626.18 -163.98,-601.18 ; C9.1@-38.98,-1684.65 -38.98,-1716.18 -43.98,-1721.18 -68.98,-1721.18 -73.98,-1716.18 -73.98,-1571.18 ; C24.1@269.49,-626.18 306.02,-626.18 316.02,-616.18 v1(316.02,-556.18) ; U7.8@361.02,-608.66 361.02,-556.18 ; 661.02,-551.18 R22.2@661.02,-509.65 ; D8.2@671.46,-663.78 736.02,-663.78 ; U6.8@736.02,-608.66 736.02,-663.78 ; 736.02,-551.18 C21.1@736.02,-509.65 ; U6.6@836.02,-608.66 836.02,-656.18 828.43,-663.78 736.02,-663.78 ; R21.2@1086.02,-217.72 1086.02,-176.18 1111.02,-151.18 1161.02,-151.18 ; C5.1@1161.02,-217.72 1161.02,-151.18 ; 1311.02,-151.18 1161.02,-151.18 ; -863.98,-186.18 -835.2,-186.18 -825.2,-196.18 IC3.100@-825.2,-236.22 -825.2,-301.18 ; -842.09,-491.18 -842.09,-785.07 -828.98,-798.18 -728.98,-798.18 ; -842.09,-491.18 -842.09,-344.75 -825.2,-327.86 -825.2,-301.18 ; -728.98,-798.18 -707.01,-798.18 -680.01,-771.18 -363.98,-771.18 -338.98,-746.18 -338.98,-620.55 -308.98,-590.55 IC3.61@-274.01,-590.55 -224.61,-590.55 -213.98,-601.18 -163.98,-601.18 ; -113.98,-1571.18 -73.98,-1571.18
  Top Layer w20: v1(316.02,-556.18) 361.02,-556.18 384.02,-533.18 528.75,-533.18 546.75,-551.18 661.02,-551.18 736.02,-551.18 841.02,-551.18 ; U6.6@836.02,-608.66 836.02,-556.18 841.02,-551.18 ; 1311.02,-151.18 1351.02,-151.18 1366.02,-166.18 1366.02,-511.18 1336.02,-541.18 866.02,-541.18 856.02,-551.18 841.02,-551.18
  Top Layer w25: C26.1@1311.02,-247.44 1311.02,-151.18 U1.3@1311.02,-76.18
  Bottom Layer w10: v1(-1170.95,-1163.58) -1192.45,-1142.08 -1192.45,-874.65 v1(-1168.98,-851.18) -823.98,-851.18 -768.98,-906.18 v1(-768.98,-941.18)
  Bottom Layer w20: D16.2@-2663.98,-1076.18 -2588.98,-1076.18 -2513.98,-1151.18 -1538.98,-1151.18 -1313.98,-1376.18 -148.98,-1376.18 ; P4.7@-1288.98,-348.03 -1040.83,-348.03 -1038.98,-346.18 ; P6.2@-1038.98,-526.18 -1038.98,-346.18 ; v1(-148.98,-1546.18) -148.98,-1376.18 ; v1(316.02,-556.18) v1(78.45,-556.18) ; -1038.98,-346.18 -733.98,-41.18 -283.98,-41.18 78.45,-403.61 v1(78.45,-556.18) ; -148.98,-1376.18 -148.98,-783.61 v1(78.45,-556.18)
B1: D16.4 R12.2 | length 131.4
  Top Layer w10: D16.4@-2663.98,-1176.18 -2618.98,-1131.18 -2618.98,-1116.18 -2603.98,-1101.18 R12.2@-2572.44,-1101.18
BLUE: IC3.24 R42.1 | length 1849.8
  Top Layer w10: R42.1@-2505.51,-1026.18 v1(-2458.98,-1026.18) ; v1@-968.98,-776.18 -960.51,-767.71 IC3.24@-903.94,-767.71
  Bottom Layer w10: v1(-2458.98,-1026.18) -2401.98,-969.18 -1431.43,-969.18 -1381.43,-1019.18 -1254.02,-1019.18 -1228.45,-993.61 -1228.45,-821.11 -1196.52,-789.18 -1028.98,-789.18 -1021.98,-796.18 -988.98,-796.18 v1(-973.98,-781.18)
BUTTON_0: 
BUTTON_1: 
C2: R5.2 SIM1.C2 TVS1.4 | length 465
  Top Layer w10: TVS1.4@-1508.46,298.23 -1507.87,298.82 -1440.98,298.82 -1418.98,320.82 -1245.98,320.82 -1234.74,309.59 -1234.74,273.82 ; R5.2@-1305.51,273.82 -1234.74,273.82 ; SIM1.C2@-1163.98,273.82 -1234.74,273.82
C3: R3.2 SIM1.C3 TVS1.5 | length 451.4
  Top Layer w10: TVS1.5@-1508.46,323.82 -1443.98,323.82 -1428.98,338.82 -1243.98,338.82 -1233.98,348.82 -1233.98,373.82 ; R3.2@-1305.51,373.82 -1233.98,373.82 ; SIM1.C3@-1163.98,373.82 -1233.98,373.82
C7: R4.2 SIM1.C7 TVS1.6 | length 1526.7
  Top Layer w10: TVS1.6@-1508.46,349.41 -1468.39,349.41 -1458.98,358.82 -1458.98,393.82 -1428.98,423.82 -1253.98,423.82 -1243.98,433.82 -1243.98,448.82 ; R4.2@-1305.51,473.82 -1253.98,473.82 -1243.98,463.82 -1243.98,448.82 ; SIM1.C7@-163.98,373.82 -1033.98,373.82 -1108.98,448.82 -1243.98,448.82
COMP_OSC_OUT: 
DTMF_0: IC3.47 U3.11 | length 476.2
  Top Layer w10: IC3.47@-411.81,-866.14 -411.81,-908.35 -392.48,-927.68 -357.65,-927.68 -303.98,-981.36 -303.98,-1100.27 -253.06,-1151.18 U3.11@-148.03,-1151.18
DTMF_1: IC3.46 U3.12 | length 520
  Top Layer w10: IC3.46@-431.5,-866.14 -431.5,-914.12 -399.93,-945.68 -365.11,-945.68 -321.98,-988.81 -321.98,-1107.73 -228.52,-1201.18 U3.12@-148.03,-1201.18
DTMF_2: IC3.45 U3.13 | length 563.8
  Top Layer w10: IC3.45@-451.18,-866.14 -451.18,-919.89 -407.39,-963.68 -372.56,-963.68 -339.98,-996.27 -339.98,-1115.18 -203.98,-1251.18 U3.13@-148.03,-1251.18
DTMF_3: IC3.44 U3.14 | length 624.9
  Top Layer w10: IC3.44@-470.87,-866.14 -470.87,-925.66 -414.84,-981.68 -380.02,-981.68 -357.98,-1003.73 -357.98,-1122.64 -218.98,-1261.64 -218.98,-1291.18 -208.98,-1301.18 U3.14@-148.03,-1301.18
G1: D16.3 R42.2 | length 159.3
  Top Layer w10: D16.3@-2663.98,-1126.18 -2623.98,-1086.18 -2623.98,-1041.18 -2608.98,-1026.18 R42.2@-2572.44,-1026.18